# KiCad board raven.kicad_pcb (continued)
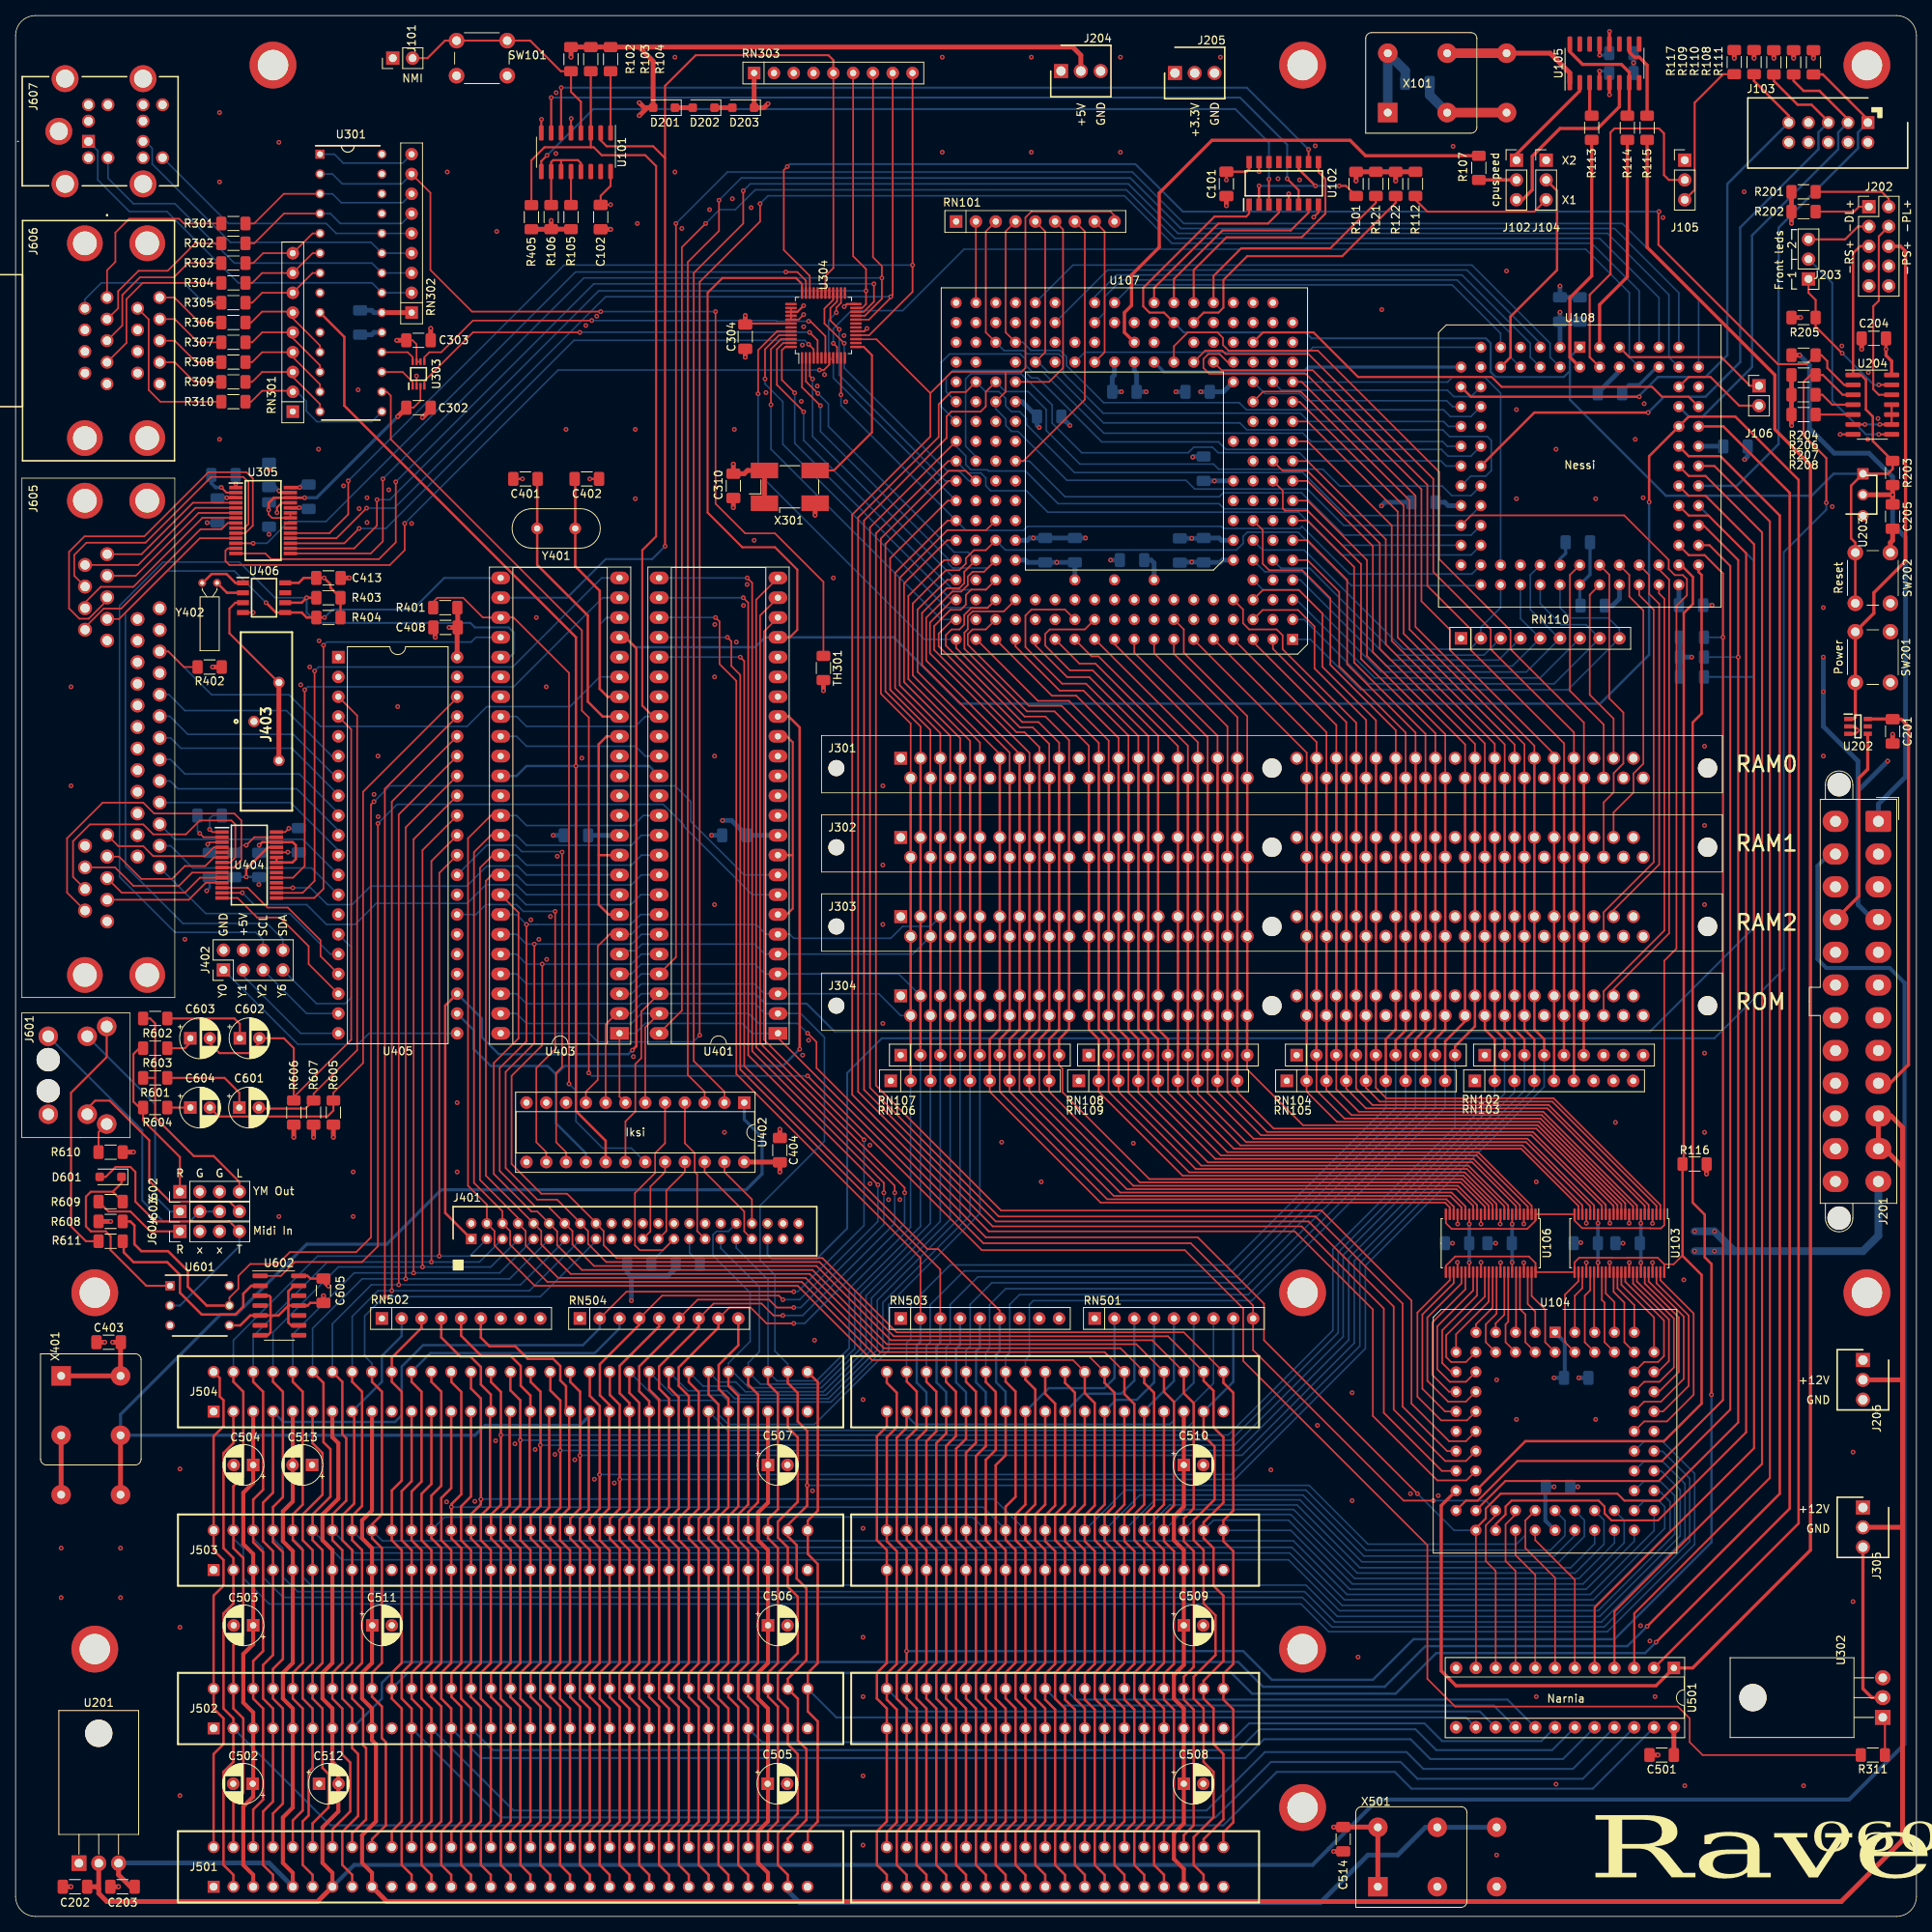
[diagram p0: board, top side]
## Nets (continued)
+3.3V: C101.1 C105.1 C106.1 C107.1 C108.2 C109.1 C110.2 C111.2 C112.2 C113.2 C114.2 C115.2 C116.2 C117.2 C118.2 C119.2 C120.2 C121.2 C122.2 C123.2 C124.2 C205.1 C302.2 C304.1 C305.1 C310.1 D203.1 J103.4 J201.1 J201.2 J201.12 J201.13 J205.2 J301.1 J301.72 J302.1 J302.72 J303.1 J303.72 J304.1 J304.72 R101.1 R108.1 R109.1 R110.1 R111.1 R112.1 R116.1 R117.1 R121.1 R122.1 R203.1 R204.2 RN101.1 RN102.1 RN103.1 RN104.1 RN105.1 RN106.1 RN107.1 RN108.1 RN109.1 RN110.1 RN303.1 U102.16 U103.7 U103.18 U103.31 U103.42 U105.4 U105.13 U106.7 U106.18 U106.31 U106.42 U107.B05 U107.B09 U107.B14 U107.C02 U107.C05 U107.C08 U107.C10 U107.C12 U107.C14 U107.C17 U107.D08 U107.D10 U107.D12 U107.D15 U107.E04 U107.E15 U107.G02 U107.G04 U107.G15 U107.G17 U107.H03 U107.H16 U107.J03 U107.J04 U107.J15 U107.J16 U107.L04 U107.L16 U107.M02 U107.M03 U107.M17 U107.N15 U107.P04 U107.Q10 U107.R02 U107.R05 U107.R08 U107.R12 U107.R17 U107.S03 U107.S05 U107.S08 U107.S16 U108.13 U108.26 U108.38 U108.53 U108.66 U108.78 U203.2 U303.3 U304.42 U305.22 U305.23 U305.26 X101.1 X101.8 X301.1 X301.4
+5V: C102.1 C103.1 C104.1 C125.2 C126.2 C127.2 C128.2 C204.1 C301.2 C303.1 C403.2 C404.1 C405.2 C406.2 C407.1 C408.1 C413.2 C501.1 C502.1 C503.1 C504.1 C505.1 C506.1 C507.1 C508.1 C509.1 C510.1 C514.2 C605.1 D201.2 J201.4 J201.6 J201.21 J201.22 J201.23 J204.2 J401.41 J401.42 J402.4 J501.3 J501.29 J501.78 J502.3 J502.29 J502.78 J503.3 J503.29 J503.78 J504.3 J504.29 J504.78 J606.A7 J606.B7 J607.A5 J607.B5 R102.1 R103.1 R104.1 R105.1 R106.1 R118.1 R119.1 R120.1 R201.1 R202.1 R205.2 R206.2 R207.2 R208.2 R401.1 R402.1 R403.1 R404.1 R405.1 R406.1 R407.1 R608.2 R610.2 RN301.1 RN302.1 RN501.1 RN502.1 U101.16 U104.1 U104.35 U108.3 U108.43 U204.14 U301.20 U303.6 U303.7 U401.11 U402.24 U403.11 U404.22 U404.23 U404.26 U405.25 U405.28 U405.40 U406.8 U501.24 U602.14 X401.1 X401.8 X501.1 X501.8
+5VL: C201.1 J201.9 U202.6
+12V: C511.1 J201.10 J201.11 J206.2 J305.2 J501.9 J502.9 J503.9 J504.9
-5V: C203.1 C513.2 J501.5 J502.5 J503.5 J504.5 U201.3
-12V: C202.1 C512.2 J201.14 J501.7 J502.7 J503.7 J504.7 U201.2
GND: C101.2 C102.2 C103.2 C104.2 C105.2 C106.2 C107.2 C108.1 C109.2 C110.1 C111.1 C112.1 C113.1 C114.1 C115.1 C116.1 C117.1 C118.1 C119.1 C120.1 C121.1 C122.1 C123.1 C124.1 C125.1 C126.1 C127.1 C128.1 C201.2 C202.2 C203.2 C204.2 C205.2 C301.1 C302.1 C303.2 C304.2 C305.2 C307.2 C309.2 C310.2 C401.1 C402.1 C403.1 C404.2 C405.1 C406.1 C407.2 C408.2 C410.2 C412.2 C413.1 C501.2 C502.2 C503.2 C504.2 C505.2 C506.2 C507.2 C508.2 C509.2 C510.2 C511.2 C512.1 C513.1 C514.1 C605.2 H601.1 H602.1 H603.1 H604.1 H605.1 H606.1 H607.1 H608.1 H609.1 J101.1 J103.2 J103.10 J104.1 J105.1 J201.3 J201.5 J201.7 J201.15 J201.17 J201.18 J201.19 J201.24 J202.7 J202.8 J204.3 J205.3 J206.3 J301.10 J301.19 J301.28 J301.37 J301.46 J301.53 J301.62 J302.10 J302.19 J302.28 J302.37 J302.46 J302.53 J302.62 J303.10 J303.19 J303.28 J303.37 J303.46 J303.53 J303.62 J304.10 J304.19 J304.28 J304.37 J304.46 J304.53 J304.62 J401.2 J401.19 J401.22 J401.24 J401.26 J401.28 J401.30 J401.40 J401.43 J401.44 J402.2 J403.1 J501.1 J501.10 J501.31 J501.80 J502.1 J502.10 J502.31 J502.80 J503.1 J503.10 J503.31 J503.80 J504.1 J504.10 J504.31 J504.80 J601.1A J602.2 J602.3 J605.A5 J605.B5 J605.C18 J605.C19 J605.C20 J605.C21 J605.C22 J605.C23 J605.C24 J605.C25 J606.A8 J606.B8 J607.A3 J607.B3 J607.MH1 J607.MH2 J607.MH3 J607.MH4 J607.MH5 R605.2 R606.2 R607.2 RN503.1 RN504.1 SW101.1 SW201.1 SW202.2 TH301.2 U101.5 U101.8 U102.5 U102.8 U102.15 U103.4 U103.10 U103.15 U103.21 U103.28 U103.34 U103.39 U103.45 U104.18 U104.52 U105.5 U105.12 U106.4 U106.10 U106.15 U106.21 U106.28 U106.34 U106.39 U106.45 U107.B02 U107.B04 U107.B06 U107.B08 U107.B10 U107.B13 U107.B15 U107.B17 U107.C06 U107.C07 U107.C09 U107.C11 U107.C13 U107.D02 U107.D17 U107.F02 U107.F04 U107.F15 U107.F17 U107.H02 U107.H04 U107.H15 U107.H17 U107.K03 U107.K16 U107.L02 U107.L03 U107.L17 U107.M16 U107.N02 U107.N17 U107.Q02 U107.Q09 U107.Q17 U107.R04 U107.R06 U107.R11 U107.R13 U107.S02 U107.S04 U107.S09 U107.S10 U107.S15 U107.S17 U107.T03 U107.T04 U107.T13 U108.7 U108.19 U108.32 U108.42 U108.47 U108.59 U108.72 U108.82 U201.1 U202.2 U202.3 U203.3 U204.7 U301.8 U301.19 U302.3 U303.2 U304.17 U304.24 U304.38 U304.39 U304.40 U304.41 U305.25 U401.19 U401.20 U401.36 U402.10 U402.11 U402.12 U402.13 U403.20 U403.34 U403.36 U404.25 U405.1 U405.24 U406.4 U501.12 U501.13 U601.4 U602.3 U602.5 U602.7 U602.9 U602.11 U602.13 X101.4 X301.2 X401.4 X501.4
68150:CLK: R115.1 U104.24 U501.1
68150:LR~{W}: U104.31 U501.8
68150:R~{W}: RN501.9 U104.30 U401.1 U402.7 U403.1 U501.10
68150:UR~{W}: U104.32 U501.9
68150:~{CS}: R116.2 U103.25 U103.48 U104.25 U106.25 U106.48 U108.55
68150:~{DSACK0}: U104.28 U108.56
68150:~{DSACK1}: U104.29 U108.61
68150:~{DS}: R119.2 U104.27 U108.58 U401.47 U402.6 U403.47 U501.11
68150:~{TA}: R118.2 U104.26 U108.57
/ICLK_X1_2: R114.2 U105.7 U105.16
/ICLK_X1_3: R115.2 U105.10
/ICLK_X1_4: U105.11
/ICLK_X2_2: R113.2 U105.3
/ICLK_X2_3: U105.14
/ICLK_X2_4: U105.15
/ISA/ISA:AEN: J501.42 J502.42 J503.42 J504.42 RN504.3
/ISA/ISA:DACK0: J501.70 J502.70 J503.70 J504.70 RN501.2
/ISA/ISA:DACK1: J501.17 J502.17 J503.17 J504.17 RN502.5
/ISA/ISA:DACK2: J501.26 J502.26 J503.26 J504.26 RN501.7
/ISA/ISA:DACK3: J501.15 J502.15 J503.15 J504.15 RN502.4
/ISA/ISA:DACK5: J501.72 J502.72 J503.72 J504.72 RN501.3
/ISA/ISA:DACK6: J501.74 J502.74 J503.74 J504.74 RN501.4
/ISA/ISA:DACK7: J501.76 J502.76 J503.76 J504.76 RN501.5
/ISA/ISA:DRQ0: J501.71 J502.71 J503.71 J504.71
/ISA/ISA:DRQ1: J501.18 J502.18 J503.18 J504.18
/ISA/ISA:DRQ2: J501.6 J502.6 J503.6 J504.6
/ISA/ISA:DRQ3: J501.16 J502.16 J503.16 J504.16
/ISA/ISA:DRQ5: J501.73 J502.73 J503.73 J504.73
/ISA/ISA:DRQ6: J501.75 J502.75 J503.75 J504.75
/ISA/ISA:DRQ7: J501.77 J502.77 J503.77 J504.77
/ISA/ISA:IOCHK: J501.32 J502.32 J503.32 J504.32
/ISA/ISA:IRQ6: J501.22 J502.22 J503.22 J504.22 RN504.5
/ISA/ISA:IRQ12: J501.67 J502.67 J503.67 J504.67 RN503.4
/ISA/ISA:IRQ13: J501.68 J502.68 J503.68 J504.68 RN503.5
/ISA/ISA:MASTER: J501.79 J502.79 J503.79 J504.79 RN501.8
/ISA/ISA:MEMCS16: J501.63 J502.63 J503.63 J504.63
/ISA/ISA:OSC: J501.30 J502.30 J503.30 J504.30 X501.5
/ISA/ISA:REFRESH: J501.19 J502.19 J503.19 J504.19 RN502.6
/ISA/ISA:TC: J501.27 J502.27 J503.27 J504.27 RN504.9
/Local16/IDE:IRQ: J401.31 U402.4
/Local16/IDE:~{CS0}: J401.37 U402.22
/Local16/IDE:~{CS1}: J401.38 U402.23
/Local16/IDE:~{RDY}: J401.27 R406.2 U402.5
/Local16/IDE:~{RD}: J401.25 U402.21
/Local16/IDE:~{WR}: J401.23 U402.20
/Local16/MFP1:CD: U403.23 U404.19
/Local16/MFP1:CTS: U403.24 U404.16
/Local16/MFP1:RI: U403.28 U404.15
/Local16/MFP1:SI: U403.9 U404.17
/Local16/MFP1:SO: U403.8 U404.13
/Local16/MFP1:TAO: U403.13
/Local16/MFP1:TBO: U403.14
/Local16/MFP1:TCO: U403.15
/Local16/MFP1:~{IEO}: U401.34 U403.33
/Local16/MFP2:TAO: U401.13
/Local16/MFP2:TBO: U401.14
/Local16/MFP2:TCO: U401.15
/Local16/YM:BC1: U402.15 U405.29
/Local16/YM:BDIR: U402.14 U405.27
/Local16/YM:DTR: U404.12 U405.17
/Local16/YM:IOA0: J402.1 U405.21
/Local16/YM:IOA1: J402.3 U405.20
/Local16/YM:IOA2: J402.5 U405.19
/Local16/YM:IOA6: J402.7 U405.15
/Local16/YM:IOA7: U405.14
/Local16/YM:RTS: U404.14 U405.18
/Local32/UART1:CDB: RN303.9 U304.16 U305.19
/Local32/UART1:CTSB: RN303.6 U304.23 U305.16
/Local32/UART1:DSRB: RN303.8 U304.20 U305.18
/Local32/UART1:DTRB: U304.35 U305.12
/Local32/UART1:RIB: RN303.7 U304.21 U305.15
/Local32/UART1:RTSB: U304.22 U305.14
/Local32/UART1:RXB: U304.4 U305.17
/Local32/UART1:TXB: U304.8 U305.13
/Local32/UART1_CLK: U304.13 X301.3
/Power/HDDLED+: J202.1 R202.2
/Power/HDDLED-: J202.3 J203.3
/Power/PWRLED+: J202.2 R201.2
/Power/PWRLED-: J202.4 U204.12
/Power/PWRSW+: J202.6 SW201.2 U202.1
A0: U104.20 U107.L18 U108.30
A1: U104.19 U107.K18 U108.31
A2: J301.2 J302.2 J303.2 J304.2 J401.35 J501.60 J502.60 J503.60 J504.60 RN106.2 U107.J17 U304.28 U401.3 U403.3
A3: J301.3 J302.3 J303.3 J304.3 J401.33 J501.59 J502.59 J503.59 J504.59 RN107.2 U107.J18 U304.27 U401.4 U403.4
A4: J301.4 J302.4 J303.4 J304.4 J401.36 J501.58 J502.58 J503.58 J504.58 RN106.3 U107.H18 U304.26 U401.5 U403.5
A5: J301.5 J302.5 J303.5 J304.5 J501.57 J502.57 J503.57 J504.57 RN107.3 U107.G18 U108.34 U304.11 U401.6 U402.9 U403.6
A6: J301.6 J302.6 J303.6 J304.6 J501.56 J502.56 J503.56 J504.56 RN106.4 U107.G16
A7: J301.7 J302.7 J303.7 J304.7 J501.55 J502.55 J503.55 J504.55 RN107.4 U107.F18
A8: J301.8 J302.8 J303.8 J304.8 J501.54 J502.54 J503.54 J504.54 RN106.5 U107.E18
A9: J301.9 J302.9 J303.9 J304.9 J501.53 J502.53 J503.53 J504.53 RN107.5 U107.F16 U108.33
A10: J301.61 J302.61 J303.61 J304.61 J501.52 J502.52 J503.52 J504.52 RN102.4 U107.P01 U108.36
A11: J301.60 J302.60 J303.60 J304.60 J501.51 J502.51 J503.51 J504.51 RN103.4 U107.N03
A12: J301.59 J302.59 J303.59 J304.59 J501.50 J502.50 J503.50 J504.50 RN102.3 U107.N01
A13: J301.58 J302.58 J303.58 J304.58 J501.49 J502.49 J503.49 J504.49 RN103.3 U107.M01
A14: J301.57 J302.57 J303.57 J304.57 J501.48 J502.48 J503.48 J504.48 RN102.2 U107.L01
A15: J301.56 J302.56 J303.56 J304.56 J501.47 J502.47 J503.47 J504.47 RN103.2 U107.K01
A16: J301.55 J302.55 J303.55 J304.55 J501.46 J502.46 J503.46 J504.46 RN104.9 U107.K02
A17: J301.54 J302.54 J303.54 J304.54 J501.45 J501.88 J502.45 J502.88 J503.45 J503.88 J504.45 J504.88 RN105.9 U107.J01
A18: J301.52 J302.52 J303.52 J304.52 J501.44 J501.87 J502.44 J502.87 J503.44 J503.87 J504.44 J504.87 RN104.8 U107.H01
A19: J301.51 J302.51 J303.51 J304.51 J501.43 J501.86 J502.43 J502.86 J503.43 J503.86 J504.43 J504.86 RN105.8 U107.J02
A20: J301.50 J302.50 J303.50 J304.50 J501.85 J502.85 J503.85 J504.85 RN104.7 U107.G01
A21: J301.49 J302.49 J303.49 J304.49 J501.84 J502.84 J503.84 J504.84 RN105.7 U107.F01
A22: J301.48 J302.48 J303.48 J304.48 J501.83 J502.83 J503.83 J504.83 RN104.6 U107.E01
A23: J301.47 J302.47 J303.47 J304.47 J501.82 J502.82 J503.82 J504.82 RN105.6 U107.G03
A24: RN110.5 U107.D01 U108.37
A25: RN110.2 U107.F03 U108.35
A26: RN110.3 U107.E02
A27: RN110.7 U107.C01
A28: RN110.4 U107.E03
A29: RN110.8 U107.B01 U108.39
A30: RN110.6 U107.D03 U108.40
A31: RN110.9 U107.A01 U108.41
AUDIO_YM_L: J602.4 R601.1 R602.1
AUDIO_YM_R: J602.1 R603.1 R604.1
BCLK: R114.1 U108.83
BCLK_X2: R113.1 U108.2
BD0: U103.47 U104.53
BD1: U103.46 U104.54
BD2: U103.44 U104.55
BD3: U103.43 U104.56
BD4: U103.41 U104.57
BD5: U103.40 U104.58
BD6: U103.38 U104.59
BD7: U103.37 U104.60
BD8: U103.36 U104.61
BD9: U103.35 U104.62
BD10: U103.33 U104.63
BD11: U103.32 U104.64
BD12: U103.30 U104.65
BD13: U103.29 U104.66
BD14: U103.27 U104.67
BD15: U103.26 U104.68
BD16: U104.2 U106.47
BD17: U104.3 U106.46
BD18: U104.4 U106.44
BD19: U104.5 U106.43
BD20: U104.6 U106.41
BD21: U104.7 U106.40
BD22: U104.8 U106.38
BD23: U104.9 U106.37
BD24: U104.10 U106.36
BD25: U104.11 U106.35
BD26: U104.12 U106.33
BD27: U104.13 U106.32
BD28: U104.14 U106.30
BD29: U104.15 U106.29
BD30: U104.16 U106.27
BD31: U104.17 U106.26
CLK2: U401.17 U402.16 U405.22
CLK4: U301.9 U401.35 U402.17 U403.35
CLK8: J501.20 J502.20 J503.20 J504.20 U402.1 X401.5
COM1:CD: J605.A1 U305.4
COM1:CTS: J605.A8 U305.7
COM1:DSR: J605.A6 U305.5
COM1:DTR: J605.A4 U305.11
COM1:RI: J605.A9 U305.8
COM1:RTS: J605.A7 U305.9
COM1:RXD: J605.A2 U305.6
COM1:TXD: J605.A3 U305.10
COM2:CD: J605.B1 U404.4
COM2:CTS: J605.B8 U404.7
COM2:DSR: J605.B6
COM2:DTR: J605.B4 U404.11
COM2:RI: J605.B9 U404.8
COM2:RTS: J605.B7 U404.9
COM2:RXD: J605.B2 U404.6
COM2:TXD: J605.B3 U404.10
D0: J301.45 J302.45 J303.45 J304.45 RN104.5 U103.2 U107.C03
D1: J301.44 J302.44 J303.44 J304.44 RN105.5 U103.3 U107.B03
D2: J301.43 J302.43 J303.43 J304.43 RN104.4 U103.5 U107.C04
D3: J301.42 J302.42 J303.42 J304.42 RN105.4 U103.6 U107.A02
D4: J301.41 J302.41 J303.41 J304.41 RN104.3 U103.8 U107.A03
D5: J301.40 J302.40 J303.40 J304.40 RN105.3 U103.9 U107.A04
D6: J301.39 J302.39 J303.39 J304.39 RN104.2 U103.11 U107.A05
D7: J301.38 J302.38 J303.38 J304.38 RN105.2 U103.12 U107.A06
D8: J301.36 J302.36 J303.36 J304.36 RN108.9 U103.13 U107.B07
D9: J301.35 J302.35 J303.35 J304.35 RN109.9 U103.14 U107.A07
D10: J301.34 J302.34 J303.34 J304.34 RN108.8 U103.16 U107.A08
D11: J301.33 J302.33 J303.33 J304.33 RN109.8 U103.17 U107.A09
D12: J301.32 J302.32 J303.32 J304.32 RN108.7 U103.19 U107.A10
D13: J301.31 J302.31 J303.31 J304.31 RN109.7 U103.20 U107.A11
D14: J301.30 J302.30 J303.30 J304.30 RN108.6 U103.22 U107.A12
D15: J301.29 J302.29 J303.29 J304.29 RN109.6 U103.23 U107.A13
D16: J301.27 J302.27 J303.27 J304.27 RN108.5 U106.2 U107.B11
D17: J301.26 J302.26 J303.26 J304.26 RN109.5 U106.3 U107.A14
D18: J301.25 J302.25 J303.25 J304.25 RN108.4 U106.5 U107.B12
D19: J301.24 J302.24 J303.24 J304.24 RN109.4 U106.6 U107.A15
D20: J301.23 J302.23 J303.23 J304.23 RN108.3 U106.8 U107.A16
D21: J301.22 J302.22 J303.22 J304.22 RN109.3 U106.9 U107.A17
D22: J301.21 J302.21 J303.21 J304.21 RN108.2 U106.11 U107.B16
D23: J301.20 J302.20 J303.20 J304.20 RN109.2 U106.12 U107.C15
D24: J301.18 J302.18 J303.18 J304.18 RN107.9 U106.13 U107.A18 U304.44
D25: J301.17 J302.17 J303.17 J304.17 RN106.9 U106.14 U107.C16 U304.45
D26: J301.16 J302.16 J303.16 J304.16 RN107.8 U106.16 U107.B18 U304.46
D27: J301.15 J302.15 J303.15 J304.15 RN106.8 U106.17 U107.D16 U304.47
D28: J301.14 J302.14 J303.14 J304.14 RN107.7 U106.19 U107.C18 U304.48
D29: J301.13 J302.13 J303.13 J304.13 RN106.7 U106.20 U107.E16 U304.1
D30: J301.12 J302.12 J303.12 J304.12 RN107.6 U106.22 U107.E17 U304.2
D31: J301.11 J302.11 J303.11 J304.11 RN106.6 U106.23 U107.D18 U304.3
I2C_CLK: J402.6 R403.2 U403.29 U406.6
I2C_DTA: J402.8 R404.2 U403.25 U406.5
ICLK: U105.1 X101.5
IKBD_RX: U301.18 U303.8
IKBD_TX: U301.17 U303.1
IRQ_ISA0: J501.4 J502.4 J503.4 J504.4 RN504.2 U401.22
IRQ_ISA1: J501.25 J502.25 J503.25 J504.25 RN504.8 U401.23
IRQ_ISA2: J501.24 J502.24 J503.24 J504.24 RN504.7 U401.24
IRQ_ISA3: J501.23 J502.23 J503.23 J504.23 RN504.6 U401.25
IRQ_ISA4: J501.21 J502.21 J503.21 J504.21 RN504.4 U401.26
IRQ_ISA5: J501.65 J502.65 J503.65 J504.65 RN503.2 U401.27
IRQ_ISA6: J501.66 J502.66 J503.66 J504.66 RN503.3 U401.28
IRQ_ISA7: J501.69 J502.69 J503.69 J504.69 RN503.6 U401.29
ISA:A0: J501.62 J502.62 J503.62 J504.62 U501.14
ISA:ALE: J501.28 J502.28 J503.28 J504.28 U501.18
ISA:IOCHRDY: J501.41 J502.41 J503.41 J504.41 RN502.3 U108.68
ISA:IOCS16: J501.64 J502.64 J503.64 J504.64 RN501.6 U108.54
ISA:RESET: J501.2 J502.2 J503.2 J504.2 U501.23
ISA:~{IOR}: J501.14 J502.14 J503.14 J504.14 U501.19
ISA:~{IOW}: J501.13 J502.13 J503.13 J504.13 U501.20
ISA:~{MEMR}: J501.89 J502.89 J503.89 J504.89 U501.16
ISA:~{MEMW}: J501.90 J502.90 J503.90 J504.90 U501.17
ISA:~{NOWS}: J501.8 J502.8 J503.8 J504.8 RN502.2 U108.67
ISA:~{SBHE}: J501.81 J502.81 J503.81 J504.81 U501.15
ISA:~{SMEMR}: J501.12 J502.12 J503.12 J504.12 U501.21
ISA:~{SMEMW}: J501.11 J502.11 J503.11 J504.11 U501.22
JOY0:BTN1: J606.A6 R305.1
JOY0:BTN2: J606.A9
JOY0:DOWN: J606.A2 R302.1
JOY0:LEFT: J606.A3 R303.1
JOY0:RIGHT: J606.A4 R304.1
JOY0:UP: J606.A1 R301.1
JOY1:BTN1: J606.B6 R310.1
JOY1:BTN2: J606.B9
JOY1:DOWN: J606.B2 R307.1
JOY1:LEFT: J606.B3 R308.1
JOY1:RIGHT: J606.B4 R309.1
JOY1:UP: J606.B1 R306.1
JTAG_TCK: J103.1 R111.2 U108.62
JTAG_TDI: J103.9 R109.2 U108.14
JTAG_TDO: J103.3 R108.2 U108.71
JTAG_TMS: J103.5 R110.2 U108.23
LPT1:D0: J605.C2 U405.13
LPT1:D1: J605.C3 U405.12
LPT1:D2: J605.C4 U405.11
LPT1:D3: J605.C5 U405.10
LPT1:D4: J605.C6 U405.9
LPT1:D5: J605.C7 U405.8
LPT1:D6: J605.C8 U405.7
LPT1:D7: J605.C9 U405.6
LPT1:PE: J605.C12
LPT1:SEL: J605.C13
LPT1:~{ACK}: J605.C10
LPT1:~{AUTOFD}: J605.C14
LPT1:~{BUSY}: J605.C11 R402.2 U403.19 U403.22
LPT1:~{ERROR}: J605.C15
LPT1:~{INIT}: J605.C16
LPT1:~{SELIN}: J605.C17
LPT1:~{STROBE}: J605.C1 U405.16
MIDI_IN_R: J604.1 R609.1
MIDI_IN_T: D601.2 J604.4 U601.2
MIDI_OUT_R: J601.2A R610.1
MIDI_OUT_T: J601.5A R611.2
MIDI_RX: R608.1 U401.9 U601.5
MIDI_TX: U401.8 U602.1
PA0: U104.33 U501.6
PA1: J501.61 J502.61 J503.61 J504.61 U104.34 U401.2 U402.8 U403.2 U501.7
PCLK: R107.1 U107.R09
PCLK_X1: J102.3 U105.6
PCLK_X2: J102.1 U105.2
PD16: J401.4 J501.91 J502.91 J503.91 J504.91 U104.36 U401.37 U403.37
PD17: J401.6 J501.92 J502.92 J503.92 J504.92 U104.37 U401.38 U403.38
PD18: J401.8 J501.93 J502.93 J503.93 J504.93 U104.38 U401.39 U403.39
PD19: J401.10 J501.94 J502.94 J503.94 J504.94 U104.39 U401.40 U403.40
PD20: J401.12 J501.95 J502.95 J503.95 J504.95 U104.40 U401.41 U403.41
PD21: J401.14 J501.96 J502.96 J503.96 J504.96 U104.41 U401.42 U403.42
PD22: J401.16 J501.97 J502.97 J503.97 J504.97 U104.42 U401.43 U403.43
PD23: J401.18 J501.98 J502.98 J503.98 J504.98 U104.43 U401.44 U403.44
PD24: J401.17 J501.40 J502.40 J503.40 J504.40 U104.44 U405.37
PD25: J401.15 J501.39 J502.39 J503.39 J504.39 U104.45 U405.36
PD26: J401.13 J501.38 J502.38 J503.38 J504.38 U104.46 U405.35
PD27: J401.11 J501.37 J502.37 J503.37 J504.37 U104.47 U405.34
PD28: J401.9 J501.36 J502.36 J503.36 J504.36 U104.48 U405.33
PD29: J401.7 J501.35 J502.35 J503.35 J504.35 U104.49 U405.32
PD30: J401.5 J501.34 J502.34 J503.34 J504.34 U104.50 U405.31
PD31: J401.3 J501.33 J502.33 J503.33 J504.33 U104.51 U405.30
PS2K:CLK: J607.A6 RN302.3 U301.22
PS2K:DTA: J607.A1 RN302.2 U301.21
PS2M:CLK: J607.B6 RN302.5 U301.24
PS2M:DTA: J607.B1 RN302.4 U301.23
PWR_LED: R204.1 U204.2 U304.34
R~{W}: RN101.9 U103.1 U103.24 U104.23 U106.1 U106.24 U107.N16 U108.28 U304.15
SIZ0: U104.22 U107.P17 U108.27
SIZ1: U104.21 U107.P16 U108.25
TM0: U107.N18 U108.21
TM1: U107.M18 U108.20
TM2: U107.K17 U108.22
TT0: U107.P03 U108.16
TT1: U107.P02 U108.15
YM:CHA: C601.2 R607.1 U405.3
YM:CHB: C602.2 C603.2 R606.1 U405.4
YM:CHC: C604.2 R605.1 U405.38
~{AVEC}: U107.T11 U108.6
~{BB}: RN101.2 U107.T17
~{BGR}: RN101.8 U107.Q11
~{BS0}: J301.63 J302.63 J303.63 J304.63 RN103.5 U107.Q04
~{BS1}: J301.64 J302.64 J303.64 J304.64 RN102.5 U107.Q05
~{BS2}: J301.65 J302.65 J303.65 J304.65 RN103.6 U107.Q06
~{BS3}: J301.66 J302.66 J303.66 J304.66 RN102.6 U107.Q07
~{CDIS}: R121.2 U107.T05
~{CLA}: RN101.7 U107.K15 U108.29
~{CLKEN}: U107.Q08 U108.12
~{CPUX2}: J104.2 U108.10
~{DTACK}: R120.2 U108.60 U401.46 U402.18 U403.46
~{HDD0_LED}: J401.39 R206.1 U204.3
~{HDD1_LED}: R207.1 U204.4
~{HDD2_LED}: R208.1 U204.5
~{IACK}: U108.74 U401.45 U403.45
~{IDECS}: U108.75 U402.3
~{IPL0}: U102.4 U107.T08
~{IPL1}: U102.7 U107.T07
~{IPL2}: U102.9 U107.T06
~{IPLREQ0}: U101.9 U102.3
~{IPLREQ1}: U101.7 U102.6
~{IPLREQ2}: U101.6 U102.10
~{IRQ_HDD}: R401.2 U402.19 U403.27
~{IRQ_MFP}: R103.2 R405.2 U101.3 U401.32 U403.32
~{IRQ_UART}: RN303.5 U101.2 U304.30 U403.26
~{ISA8}: U108.63 U501.5
~{ISACS}: U108.65 U501.4
~{ISAIO}: U108.64 U501.3
~{MDIS}: R122.2 U107.S06
~{MFP1CS}: U108.79 U403.48
~{MFP2CS}: U108.77 U401.48
~{OPT1}: J105.2 U108.84
~{RB0RD}: J301.68 U108.44
~{RB0WR}: J301.69 U108.45
~{RB1RD}: J302.68 U108.46
~{RB1WR}: J302.69 U108.48
~{RB2RD}: J303.68 U108.49
~{RB2WR}: J303.69 U108.50
~{RB3RD}: J304.68 U108.51
~{RB3WR}: J304.69 U108.52
~{RESET}: J401.1 U108.69 U304.36 U401.21 U403.21 U405.23 U501.2
~{RSTI}: J202.5 R203.2 SW202.1 U102.1 U107.S07 U108.1 U203.1 U204.1
~{RSTO}: U107.R03 U108.70
~{SAS}: RN101.5 U107.Q14 U108.24
~{SNOOP}: RN101.6 U107.P15
~{TA}: U107.T14 U108.4
~{TBI}: U107.S11 U108.8
~{TCI}: U107.T10 U108.9
~{TEA}: U107.S13 U108.5
~{TIP}: RN101.4 U107.R15 U108.17
~{TRA}: U107.Q12 U108.11
~{TS}: RN101.3 U107.R16 U108.18
~{UART_CS}: U108.80 U304.10
~{YMCS}: U108.76 U402.2
Net-(C601-Pad1): C601.1 R601.2
Net-(C602-Pad1): C602.1 R602.2
Net-(C603-Pad1): C603.1 R603.2
Net-(C604-Pad1): C604.1 R604.2
Net-(D201-K): D201.1 D202.2
Net-(D202-K): D202.1 D203.2
Net-(D601-K): D601.1 R609.2 U601.1
Net-(J101-Pin_2): J101.2 R102.2 SW101.2 U101.4
Net-(J102-Pin_2): J102.2 R107.2
Net-(J104-Pin_3): J104.3 R112.2
Net-(J105-Pin_3): J105.3 R117.2
Net-(J106-Pin_1): J106.1 U108.81
Net-(J106-Pin_2): J106.2 U108.73
Net-(J201-PS_ON#): J201.16 U202.4
Net-(J203-Pin_1): J203.1 R205.1 U204.13
Net-(J203-Pin_2): J203.2 U204.8
Net-(J401-/DMACK): J401.29 R407.2
Net-(J601-RB): J601.2B J603.1
Net-(J601-SB): J601.1B J603.2 J603.3
Net-(J601-TB): J601.5B J603.4
Net-(R611-Pad1): R611.1 U602.2
Net-(RN301A-R1.2): R310.2 RN301.2 U301.15
Net-(RN301B-R2.2): R309.2 RN301.3 U301.14
Net-(RN301C-R3.2): R308.2 RN301.4 U301.13
Net-(RN301D-R4.2): R307.2 RN301.5 U301.12
Net-(RN301E-R5.2): R306.2 RN301.6 U301.11
Net-(RN301F-R6.2): R305.2 RN301.7 U301.7
Net-(RN301G-R7.2): R304.2 RN301.8 U301.6
Net-(RN301H-R8.2): R303.2 RN301.9 U301.5
Net-(RN302E-R5.2): R302.2 RN302.6 U301.4
Net-(RN302F-R6.2): R301.2 RN302.7 U301.3
Net-(RN302G-R7.2): RN302.8 TH301.1 U301.2
Net-(RN302H-R8.2): RN302.9 U301.1
Net-(U101-I1): R106.2 U101.10 U101.11 U101.13
Net-(U101-I2): R105.2 U101.12
Net-(U101-I4): R104.2 U101.1
Net-(U102-1A): R101.2 U102.2 U102.11
Net-(U204-Pad10): U204.6 U204.9 U204.10 U204.11
Net-(U301-RC5/SDO): R311.2 U301.16
Net-(U302-D): J305.3 U302.2
Net-(U302-G): R311.1 U302.1
Net-(U303-A1): U303.5 U304.7
Net-(U303-A2Y): U303.4 U304.5
Net-(U305-C1+): C306.2 U305.28
Net-(U305-C1-): C306.1 U305.24
Net-(U305-C2+): C308.2 U305.1
Net-(U305-C2-): C308.1 U305.2
Net-(U305-V+): C307.1 U305.27
Net-(U305-V-): C309.1 U305.3
Net-(U401-RC): U401.7 U401.10 U401.16
Net-(U403-RC): U403.7 U403.10 U403.16
Net-(U403-X1): C401.2 U403.17 Y401.2
Net-(U403-X2): C402.2 U403.18 Y401.1
Net-(U404-C1+): C409.2 U404.28
Net-(U404-C1-): C409.1 U404.24
Net-(U404-C2+): C411.2 U404.1
Net-(U404-C2-): C411.1 U404.2
Net-(U404-V+): C410.1 U404.27
Net-(U404-V-): C412.1 U404.3
Net-(U406-VBAT): J403.2 J403.3 U406.3
Net-(U406-X1): U406.1 Y402.1
Net-(U406-X2): U406.2 Y402.2

Pads without a net: J103 6 7 8; J201 8 20; J202 9 10; J204 1; J205 1; J206 1; J301 67 70 71; J302 67 70 71; J303 67 70 71; J304 67 70 71; J305 1; J401 20 21 32 34; J604 2 3; J605 MH1 MH2 MH3 MH4; J606 A5 B5 MH1 MH2 MH3 MH4; J607 A2 A8 B2 B8; RN102 7 8 9; RN103 7 8 9; RN303 2 3 4; RN502 7 8 9; RN503 7 8 9; U101 14 15; U102 12 13 14; U105 8 9; U107 L15 M15 P18 Q01 Q03 Q13 Q15 Q18 R01 R14 R18 S01 S14 S18 T02 T15 T16 T18; U202 5; U301 10 25 26 27 28; U304 6 9 12 14 18 19 25 29 31 32 33 37 43; U305 20 21; U401 12 18 30 31 33; U403 12 30 31; U404 5 18 20 21; U405 2 5 26 39; U406 7; U601 3 6; U602 4 6 8 10 12

## Via types
v1: diameter 0.6, hole 0.3, Top to Bottom, 453 vias

## Routing (per net, layer and track width the routed paths; a pad name or vN(x,y) marks a point on that pad's centre or on a via; arc(x,y) is an arc through that point)
+3.3V: length 299.2
  Top w0.203: C302.2 51.05,193.55 51.94,194.43 U303.3 ; v1(202.99,88.92) U103.18 ; v1(186.48,83.87) U106.31 ; v1(32.46,180.44) 32.46,179.83 32.9,179.4 U305.22 35.25,180.05 ; v1(191.98,88.82) U106.7 ; v1(208.49,88.92) U103.7 ; v1(186.48,88.82) U106.18 ; v1(208.49,83.85) U103.42 ; v1(202.99,83.87) U103.31 ; v1(191.98,83.9) U106.42
  Top w0.254: C304.1 93.72,204.34 U304.42 ; v1(37.08,182) 37.08,181.99
  Top w0.305: 203.19,238.77 v1(203.2,238.76) ; v1(32.46,180.44) 32.46,181.31 33.15,182 U305.26 v1(37.08,182) ; U102.16 158.24,224.16 157.9,223.81 C101.1 v1(155.32,222.76)
  Top w0.406: v1(203.19,236.72) 203.19,235.24 ; 203.19,240.19 203.19,238.77
  Top w0.61: 93.6,204.09 v1(93.6,205.36) ; R109.1 v1(223.01,238.38) ; R203.1 v1(240.79,182.37) ; v1(240.79,182.37) U203.2 ; v1(240.79,182.37) C205.1 ; v1(49.02,192.41) 50.13,193.51 C302.2 ; R122.1 R121.1 R101.1 v1(171.96,222.63) ; R122.1 R112.1 ; R122.1 v1(177.04,222.63) ; v1(228.85,200.28) R204.2 ; R110.1 v1(225.55,238.38) ; R117.1 v1(220.47,238.38) ; R116.1 216.92,96.49 v1(216.92,95.25) ; R108.1 v1(228.09,238.38) ; X301.1 X301.4 93.88,185.49 93.47,185.08 C310.1 v1(92.07,186.31) ; RN303.1 D203.1 96.01,232.03 v1(96.52,232.54) ; R111.1 v1(230.63,238.38)
  Bottom w0.203: 191.98,86.44 192.06,86.36 191.98,86.28 ; 208.49,86.27 208.4,86.36 208.49,86.45
  Bottom w0.305: C305.1 33.11,182 v1(37.08,182)
  Bottom w0.406: v1(37.08,182) 38.61,182 v1(49.02,192.41) ; U108.78 210.54,198.76 208.28,196.49 206.96,196.49 206.1,195.63 C124.2 ; v1(203.19,236.72) 204.18,236.72 C110.2 ; C111.2 204.18,238.76 v1(203.2,238.76)
  Bottom w0.457: v1(186.48,88.82) v1(186.48,83.87) ; v1(32.46,180.44) 32.46,181.34 ; v1(208.49,88.92) 208.49,86.45 ; v1(191.98,88.82) 191.98,86.44 ; v1(202.99,88.92) v1(202.99,83.87) ; 191.98,86.28 v1(191.98,83.9) ; 32.73,181.61 C305.1 ; 208.49,86.27 v1(208.49,83.85)
  Bottom w0.61: C120.2 149.43,173.74 v1(150.88,173.74) 152.36,173.74 C113.2 154.52,173.7 154.81,173.99 U107.E04 ; C122.2 183.34,181.41 183.77,180.98 U108.26 ; v1(141.86,195.58) C116.2 140.68,197.45 140.97,197.74 U107.Q10 ; 32.5,181.41 C305.1 ; v1(131.32,191.01) 131.03,191.3 C114.2 129.12,194.31 U107.N15 ; U108.66 219.04,188.6 C123.2 ; C118.2 v1(153.8,184.15) U107.J04 ; v1(228.85,200.28) 230.12,199.01 230.12,190.88 233.3,187.71 237.74,187.71 240.79,184.66 v1(240.79,182.37) 240.79,178.56 242.44,176.91 242.44,146.18 238.96,142.7 J201.1 ; U107.P04 154.94,195.58 C112.2 v1(152.02,195.58) ; C121.2 U108.53 ; U107.D08 146.05,173.61 145.67,173.99 C117.2 ; U107.E15 129.54,173.99 129.83,173.7 C115.2 v1(133.57,173.7) 135.55,173.7 135.89,173.36 U107.D12
  Bottom w1: 220.47,85.34 v1(215.39,85.34) ; 220.47,85.34 v1(217.93,87.88) v1(215.39,87.88) ; 220.47,85.34 236.98,85.34 238.96,87.32 J201.12
  Bottom w1.219: C108.2 178.27,236.77 X101.8 X101.1
  vias: v1(217.93,85.34)
+5V: length 492.8
  Top w0.203: U303.6 U303.7 51.44,201.67 50.93,202.18 C303.1
  Top w0.254: U101.16 76.33,222 75.06,220.73 C102.1 76.3,219.56 v1(76.33,219.58)